# Altium PCB EDA-03517-V2-0_pcb.pcbdoc (part 2 of 5)
Units mm, origin at the board's own origin, x right, y up, seen from the top; angles counter-clockwise.
Board outline 220 x 264 mm, 8 copper layers (Top Layer, L2, L3, L4, L5, L6, L7, Bottom Layer), stack 2.18 mm thick; 439 components, 290 nets, 1011 pads, 273 vias.
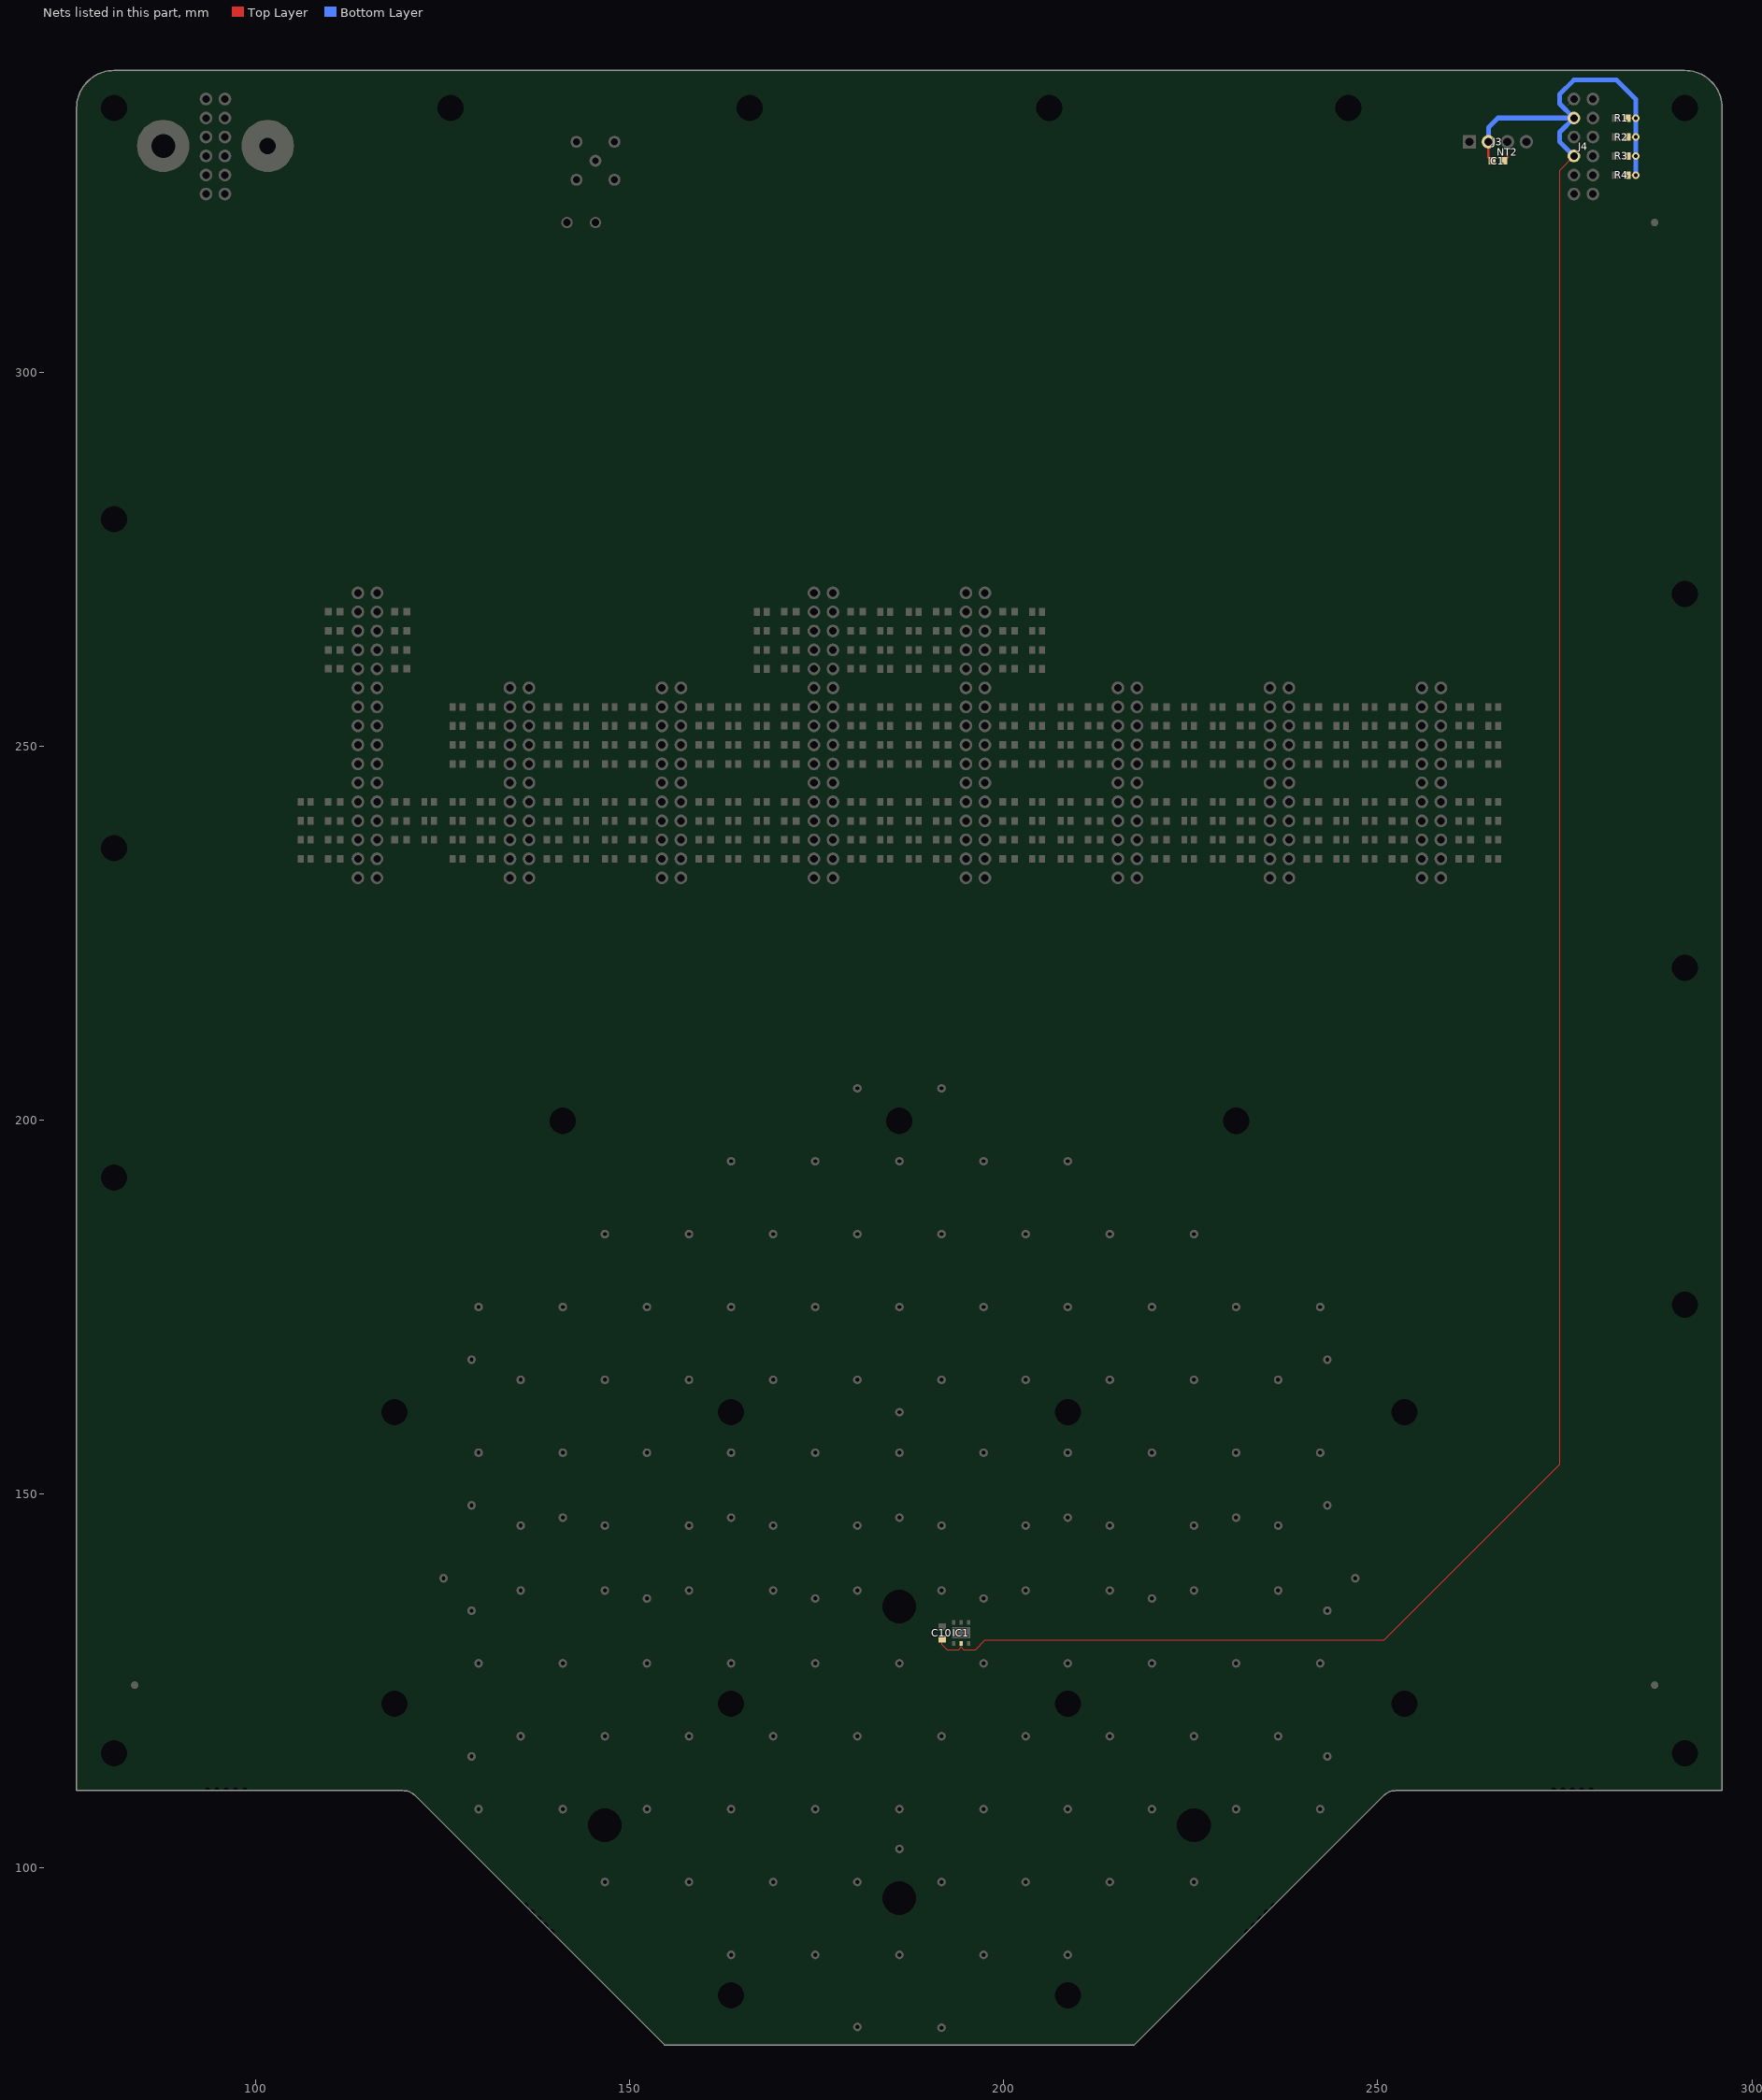
[diagram p8: the nets of this part, all layers, seen from the top]

## Part data
B1 B2: library part PLATED_HOLE1.0_PAD1.5, "Single Terminal Socket", Author="CERN DEM JLC", ComponentHeight=0mm, Component Type="Standard (No BOM)", CreateDate=30/10/2008, Family="Plated Hole", HelpURL=Undefined, LatestRevisionDate=30/10/2008, Mounted=No, PackageDescription="Plated Through Hole: Hole Dia.=1mm Pad Dia.=1.5mm", Part Description="Plated Through Hole: Hole Dia.=1mm Pad Dia.=1.5mm,  IPC-7251 Level C", Part Number=PLATED_HOLE1.0_PAD1.5, Pin Count=1, Sense=No, SMD=No, Socket=No, Status=None
C1 C10: library part CC0603_100NF_50V_10%_X7R, "Non-polarised capacitor", Case=0603, Manufacturer=GENERIC, Manufacturer1 ComponentHeight=0.87mm, Manufacturer1 Example=PHYCOMP, Manufacturer1 Part Number=223858615649, Tolerance=±10%, Voltage=50V, Author="CERN DEM JLC", Component Type=Standard, CreateDate=03/12/2007, HelpURL=\\cern.ch\dfs\Applications\Altium\Datasheets\CC0603_X7R_PHYCOMP.pdf, LatestRevisionDate=03/12/2007, Manufacturer Part Number=CC0603_100NF_50V_10%_X7R, Mounted=Yes, Part Description="SMD Multilayer Chip Ceramic Capacitor", Part Number=CC0603_100NF_50V_10%_X7R, Pin Count=2, Sense=No, SMD=Yes, Socket=No, Status=Preferred, TC=X7R
C2: library part CC0603_1PF_50V_0.25PF_NP0, "Non-polarised capacitor", Case=0603, Manufacturer=GENERIC, Manufacturer1 ComponentHeight=0.87mm, Manufacturer1 Example=PHYCOMP, Manufacturer1 Part Number=223886715108, Tolerance=±0.25pF, Voltage=50V, Author="CERN DEM JLC", Component Type=Standard, CreateDate=03/12/2007, HelpURL=\\cern.ch\dfs\Applications\Altium\Datasheets\CC0603_NP0_PHYCOMP.pdf, LatestRevisionDate=03/12/2007, Manufacturer Part Number=CC0603_1PF_50V_0.25PF_NP0, Mounted=Yes, Part Description="SMD Multilayer Chip Ceramic Capacitor", Part Number=CC0603_1PF_50V_0.25PF_NP0, Pin Count=2, Sense=No, SMD=Yes, Socket=No, Status=Preferred, TC=C0G/NP0
C3: library part CC0603_2.2PF_50V_0.25PF_NP0, "Non-polarised capacitor", Case=0603, Manufacturer=GENERIC, Manufacturer1 ComponentHeight=0.87mm, Manufacturer1 Example=PHYCOMP, Manufacturer1 Part Number=223886715228, Tolerance=±0.25pF, Voltage=50V, Author="CERN DEM JLC", Component Type=Standard, CreateDate=03/12/2007, HelpURL=\\cern.ch\dfs\Applications\Altium\Datasheets\CC0603_NP0_PHYCOMP.pdf, LatestRevisionDate=03/12/2007, Manufacturer Part Number=CC0603_2.2PF_50V_0.25PF_NP0, Mounted=Yes, Part Description="SMD Multilayer Chip Ceramic Capacitor", Part Number=CC0603_2.2PF_50V_0.25PF_NP0, Pin Count=2, Sense=No, SMD=Yes, Socket=No, Status=Preferred, TC=C0G/NP0
C4: library part CC0603_4.7PF_50V_0.25PF_NP0, "Non-polarised capacitor", Case=0603, Manufacturer=GENERIC, Manufacturer1 ComponentHeight=0.87mm, Manufacturer1 Example=PHYCOMP, Manufacturer1 Part Number=223886715478, Tolerance=±0.25pF, Voltage=50V, Author="CERN DEM JLC", Component Type=Standard, CreateDate=03/12/2007, HelpURL=\\cern.ch\dfs\Applications\Altium\Datasheets\CC0603_NP0_PHYCOMP.pdf, LatestRevisionDate=03/12/2007, Manufacturer Part Number=CC0603_4.7PF_50V_0.25PF_NP0, Mounted=Yes, Part Description="SMD Multilayer Chip Ceramic Capacitor", Part Number=CC0603_4.7PF_50V_0.25PF_NP0, Pin Count=2, Sense=No, SMD=Yes, Socket=No, Status=Preferred, TC=C0G/NP0
C5: library part CC0603_10PF_50V_5%_NP0, "Non-polarised capacitor", Case=0603, Manufacturer=GENERIC, Manufacturer1 ComponentHeight=0.87mm, Manufacturer1 Example=PHYCOMP, Manufacturer1 Part Number=223886715109, Tolerance=±5%, Voltage=50V, Author="CERN DEM JLC", Component Type=Standard, CreateDate=03/12/2007, HelpURL=\\cern.ch\dfs\Applications\Altium\Datasheets\CC0603_NP0_PHYCOMP.pdf, LatestRevisionDate=03/12/2007, Manufacturer Part Number=CC0603_10PF_50V_5%_NP0, Mounted=Yes, Part Description="SMD Multilayer Chip Ceramic Capacitor", Part Number=CC0603_10PF_50V_5%_NP0, Pin Count=2, Sense=No, SMD=Yes, Socket=No, Status=Preferred, TC=C0G/NP0
C6: library part CC0603_22PF_50V_5%_NP0, "Non-polarised capacitor", Case=0603, Manufacturer=GENERIC, Manufacturer1 ComponentHeight=0.87mm, Manufacturer1 Example=PHYCOMP, Manufacturer1 Part Number=223886715229, Tolerance=±5%, Voltage=50V, Author="CERN DEM JLC", Component Type=Standard, CreateDate=03/12/2007, HelpURL=\\cern.ch\dfs\Applications\Altium\Datasheets\CC0603_NP0_PHYCOMP.pdf, LatestRevisionDate=03/12/2007, Manufacturer Part Number=CC0603_22PF_50V_5%_NP0, Mounted=Yes, Part Description="SMD Multilayer Chip Ceramic Capacitor", Part Number=CC0603_22PF_50V_5%_NP0, Pin Count=2, Sense=No, SMD=Yes, Socket=No, Status=Preferred, TC=C0G/NP0
C7: library part CC0603_47PF_50V_5%_NP0, "Non-polarised capacitor", Case=0603, Manufacturer=GENERIC, Manufacturer1 ComponentHeight=0.87mm, Manufacturer1 Example=PHYCOMP, Manufacturer1 Part Number=223886715479, Tolerance=±5%, Voltage=50V, Author="CERN DEM JLC", Component Type=Standard, CreateDate=03/12/2007, HelpURL=\\cern.ch\dfs\Applications\Altium\Datasheets\CC0603_NP0_PHYCOMP.pdf, LatestRevisionDate=03/12/2007, Manufacturer Part Number=CC0603_47PF_50V_5%_NP0, Mounted=Yes, Part Description="SMD Multilayer Chip Ceramic Capacitor", Part Number=CC0603_47PF_50V_5%_NP0, Pin Count=2, Sense=No, SMD=Yes, Socket=No, Status=Preferred, TC=C0G/NP0
C8: library part CC0603_100PF_50V_5%_NP0, "Non-polarised capacitor", Case=0603, Manufacturer=GENERIC, Manufacturer1 ComponentHeight=0.87mm, Manufacturer1 Example=PHYCOMP, Manufacturer1 Part Number=223886715101, Tolerance=±5%, Voltage=50V, Author="CERN DEM JLC", Component Type=Standard, CreateDate=03/12/2007, HelpURL=\\cern.ch\dfs\Applications\Altium\Datasheets\CC0603_NP0_PHYCOMP.pdf, LatestRevisionDate=03/12/2007, Manufacturer Part Number=CC0603_100PF_50V_5%_NP0, Mounted=Yes, Part Description="SMD Multilayer Chip Ceramic Capacitor", Part Number=CC0603_100PF_50V_5%_NP0, Pin Count=2, Sense=No, SMD=Yes, Socket=No, Status=Preferred, TC=C0G/NP0
C9: library part CC0603_220PF_50V_5%_NP0, "Non-polarised capacitor", Case=0603, Manufacturer=GENERIC, Manufacturer1 ComponentHeight=0.87mm, Manufacturer1 Example=PHYCOMP, Manufacturer1 Part Number=223886715221, Tolerance=±5%, Voltage=50V, Author="CERN DEM JLC", Component Type=Standard, CreateDate=03/12/2007, HelpURL=\\cern.ch\dfs\Applications\Altium\Datasheets\CC0603_NP0_PHYCOMP.pdf, LatestRevisionDate=03/12/2007, Manufacturer Part Number=CC0603_220PF_50V_5%_NP0, Mounted=Yes, Part Description="SMD Multilayer Chip Ceramic Capacitor", Part Number=CC0603_220PF_50V_5%_NP0, Pin Count=2, Sense=No, SMD=Yes, Socket=No, Status=Preferred, TC=C0G/NP0
FTG1 FTG2 FTG3: library part FIDUCIAL_TARGET_C100-200, "Fiducial Target", Author="CERN DEM JLC", ComponentHeight=0mm, Component Type="Standard (No BOM)", CreateDate=09/02/2010, Family=Fiducial, HelpURL=Undefined, LatestRevisionDate=04/04/2012, Mounted=No, PackageDescription="Round Fiducial Target, Top Layer, 1.0mm, Top Solder 2.0mm, Keepout =2.0mm", Part Description="Round Fiducial Target, Top Layer, 1.0mm, Top Solder 2.0mm, Keepout =2.0mm", Part Number=FIDUCIAL_TARGET_C100-200, Pin Count=1, Sense=No, SMD=Yes, Socket=No, Status=None
IC1: "Humidity and Temperature Sensor IC", Case=SON6, Manufacturer=SENSIRION, Author="CERN DEM JLC", Bonding=No, ComponentHeight=1.2mm, Component Type=Standard, CreateDate=19/04/2012, Device=SHT25, HelpURL=\\cern.ch\dfs\Applications\Altium\Datasheets\SHT25.pdf, LatestRevisionDate=19/04/2012, Manufacturer Part Number=SHT25, Mounted=Yes, PackageDescription="SON, 1.00mm, Pitch; 6 Pin, 3.00mm W X 3.00mm L X 1.20mm H body (W/Thermal Tab 1.40 X 2.3mm), SEMIRION DFN", Part Description="I2C Digital Humidity 0 – 100% RH and Temperature -40°C to +125°C Sensor", Part Number=SHT25, Pin Count=6, PressFit=No, Sense=Yes, Sense Comment=Non-washable, SMD=Yes, Socket=No
J1 J4: library part SAMTEC_MTLW-106-07-L-D-250, "Connector 12 Male", Manufacturer=SAMTEC, Manufacturer Part Number=MTLW-106-07-L-D-250, Author="CERN DEM JLC", ComponentHeight=7.87mm, Component Type=Standard, CreateDate=25/11/2013, Family="Header 12", HelpURL=\\cern.ch\dfs\Applications\Altium\Datasheets\SAMTEC_MTLW-106-07-L-D-250.pdf, LatestRevisionDate=25/11/2013, Mounted=Yes, Part Description="12 Contacts, Pitch 2.54mm, Dual Row Through Mount Straight Header (Post Lead = 6.35mm, Tail Lead 3.05mm, Insulator 1.52mm)", Part Number=SAMTEC_MTLW-106-07-L-D-250, Pin Count=12, PressFit=No, Sense=No, SMD=No, Socket=No, Status=None
  J4: ClassName=Overlapping
J2: library part LEMO_EPK.00.250.NTN, Manufacturer=LEMO, Manufacturer Part Number=EPK.00.250.NTN, Author="CERN DEM JLC", ComponentHeight=7mm, Component Type=Standard, CreateDate=04/09/2012, Family="LEMO 00", HelpURL=\\cern.ch\dfs\Applications\Altium\Datasheets\LEMO_EPK.00.250.NTN.pdf, LatestRevisionDate=04/09/2012, Mounted=Yes, Part Description="Size 00, 50 Ohms Coaxial Elbow (90°) socket With Clearance Under The Body", Part Number=LEMO_EPK.00.250.NTN, Pin Count=2, PressFit=No, SCEM=09.46.11.180.6, Sense=No, SMD=No, Socket=No, Status=None
J3: library part SAMTEC_SSW-104-02-L-S-RA, "Connector 4 Female", Manufacturer=SAMTEC, Manufacturer Part Number=SSW-104-02-L-S-RA, Author="CERN DEM MR", ComponentHeight=2.41mm, Component Type=Standard, CreateDate=24/11/2016, Family="Socket 4", HelpURL=\\cern.ch\dfs\Applications\Altium\Datasheets\SAMTEC_SSW-104-02-L-S-RA.pdf, LatestRevisionDate=24/11/2016, Mounted=Yes, Part Description="4 Contacts, Pitch 2.54mm, Single Row Through Mount Right Angle Socket (Lead Length 2.54mm)", Part Number=SAMTEC_SSW-104-02-L-S-RA, Pin Count=4, PressFit=No, Sense=No, SMD=No, Socket=No, Status=None
J5 J8 J9: library part SAMTEC_MTLW-116-07-L-D-250, "Connector 32 Male", Manufacturer=SAMTEC, Manufacturer Part Number=MTLW-116-07-L-D-250, Author="CERN DEM MR", ComponentHeight=7.87mm, Component Type=Standard, CreateDate=24/11/2016, Family="Header 32", HelpURL=\\cern.ch\dfs\Applications\Altium\Datasheets\SAMTEC_MTLW-116-07-L-D-250.pdf, LatestRevisionDate=24/11/2016, Mounted=Yes, Part Description="32 Contacts, Pitch 2.54mm, Dual Row Through Mount Straight Header (Post Lead = 6.35mm, Tail Lead 3.05mm, Insulator 1.52mm)", Part Number=SAMTEC_MTLW-116-07-L-D-250, Pin Count=32, PressFit=No, Sense=No, SMD=No, Socket=No, Status=None
J6 J7 J10 J11 J12: library part SAMTEC_MTLW-111-07-L-D-250, "Connector 20 Male", Manufacturer=SAMTEC, Manufacturer Part Number=MTLW-111-07-L-D-250, Author="CERN DEM MR", ComponentHeight=7.87mm, Component Type=Standard, CreateDate=28/11/2016, Family="Header 22", HelpURL=\\cern.ch\dfs\Applications\Altium\Datasheets\SAMTEC_MTLW-111-07-L-D-250.pdf, LatestRevisionDate=28/11/2016, Mounted=Yes, Part Description="22 Contacts, Pitch 2.54mm, Dual Row Through Mount Straight Header (Post Lead = 6.35mm, Tail Lead 3.05mm, Insulator 1.52mm)", Part Number=SAMTEC_MTLW-111-07-L-D-250, Pin Count=22, PressFit=No, Sense=No, SMD=No, Socket=No, Status=None
PP1 PP2 PP3 PP4 PP5 PP6 PP7 PP8 PP9 PP10 PP11 PP12 PP13 PP14 PP15 PP16 PP17 PP18 PP19 PP20 PP21 PP22 PP23 PP24 PP25 PP26 PP27 PP28 PP29 PP30 PP31 PP32 PP33 PP34 PP35 PP36 PP37 PP38 PP39 PP40 PP41 PP42 PP43 PP44 PP45 PP46 PP47 PP48 PP49 PP50 PP51 PP52 PP53 PP54 PP55 PP56 PP57 PP58 PP59 PP60 PP61 PP62 PP63 PP64 PP65 PP66 PP67 PP68 PP69 PP70 PP71 PP72 PP73 PP74 PP75 PP76 PP77 PP78 PP79 PP80 PP81 PP82 PP83 PP84 PP85 PP86 PP87 PP88 PP89 PP90 PP91 PP92 PP93 PP94 PP95 PP96 PP97 PP98 PP99 PP100 PP101 PP102 PP103 PP104 PP105 PP106 PP107 PP108 PP109 PP110 PP111 PP112 PP113 PP114 PP115 PP116 PP117 PP118 PP119 PP120 PP121 PP122 PP123 PP124 PP125 PP126 PP127 PP128 PP129 PP130 PP131 PP132 PP133 PP134 PP135: library part MILL-MAX_0985-1-15-20-71-14-11-0, "Test Point", Manufacturer=MILL-MAX, Manufacturer Part Number=0985-1-15-20-71-14-11-0, Author="CERN DEM MR", ComponentHeight=6.3mm, Component Type=Standard, CreateDate=07/11/2016, Family=Probe, HelpURL=\\cern.ch\dfs\Applications\Altium\Datasheets\MILL-MAX_0985-1-15-20-71-14-11-0.pdf, LatestRevisionDate=07/11/2016, Mounted=Yes, Part Description="Probe, Spring-Loaded Pin, 2A Continuous, 3A Peak, -55..125°C (Soldered Pin 3.81mm)", Part Number=MILL-MAX_0985-1-15-20-71-14-11-0, Pin Count=1, PressFit=No, Sense=No, SMD=No, Socket=No, Status=None
R1 R2 R3 R4: library part R0603_10K_1%_0.1W_100PPM, "Resistor - 1%", Case=0603, Manufacturer=GENERIC, Manufacturer1 ComponentHeight=0.55mm, Manufacturer1 Example="NIC COMPONENT", Manufacturer1 Part Number=NRC06F1002TRF, Power=0.1W, Tolerance=±1%, Author="CERN DEM JLC", ClassName=NotMounted, Component Type=Standard, CreateDate=03/12/2007, HelpURL=\\cern.ch\dfs\Applications\Altium\Datasheets\R0603_NIC_NRC.pdf, LatestRevisionDate=13/03/2008, Manufacturer Part Number=R0603_10K_1%_0.1W_100PPM, Mounted=No, Part Description="General Purpose Thick Film Chip Resistor", Part Number=R0603_10K_1%_0.1W_100PPM, Pin Count=2, PressFit=No, Sense=No, SMD=Yes, Socket=No, Status=Preferred, TC=±100ppm/°C
RB1 RB2 RB3 RB4 RB5 RB6 RB7 RB8 RB9 RB10 RB11 RB12 RB13 RB14 RB15 RB16 RB17 RB18 RB19 RB20 RB21 RB22 RB23 RB24 RB25 RB26 RB27 RB28 RB29 RB30 RB31 RB32 RB33 RB34 RB35 RB36 RB37 RB38 RB39 RB40 RB41 RB42 RB43 RB44 RB45 RB46 RB47 RB48 RB49 RB50 RB51 RB52 RB53 RB54 RB55 RB56 RB57 RB58 RB59 RB60 RB61 RB62 RB63 RB64 RB65 RB66 RB67 RB68 RB69 RB70 RB71 RB72 RB73 RB74 RB75 RB76 RB77 RB78 RB79 RB80 RB81 RB82 RB83 RB84 RB85 RB86 RB87 RB88 RB89 RB90 RB91 RB92 RB93 RB94 RB95 RB96 RB97 RB98 RB99 RB100 RB101 RB102 RB103 RB104 RB105 RB106 RB107 RB108 RB109 RB110 RB111 RB112 RB113 RB114 RB115 RB116 RB117 RB118 RB119 RB120 RB121 RB122 RB123 RB124 RB125 RB126 RB127 RB128 RB129 RB130 RB131 RB132 RB133 RB134 RB135: library part R0603_10M_1%_0.125W_100PPM_VISHAY_CHP, "Resistor - 1%", Case=0603, Manufacturer="VISHAY SFERNICE", Manufacturer Part Number=CHP0603K1005FNT, Power=0.125W, Tolerance=±1%, Author="CERN DEM JLC", ClassName=NotMounted, ComponentHeight=0.63mm, Component Type=Standard, CreateDate=22/06/2011, HelpURL=\\cern.ch\dfs\Applications\Altium\Datasheets\R0603_VISHAY_CHP.pdf, LatestRevisionDate=22/06/2011, Mounted=No, Part Description="High Stability Metal Glaze Thick Film Chip Resistor", Part Number=R0603_10M_1%_0.125W_100PPM_VISHAY_CHP, Pin Count=2, PressFit=No, Sense=No, SMD=Yes, Socket=No, Status=None, TC=±100ppm/°C
RS1 RS2 RS3 RS4 RS5 RS6 RS7 RS8 RS9 RS10 RS11 RS12 RS13 RS14 RS15 RS16 RS17 RS18 RS19 RS20 RS21 RS22 RS23 RS24 RS25 RS26 RS27 RS28 RS29 RS30 RS31 RS32 RS33 RS34 RS35 RS36 RS37 RS38 RS39 RS40 RS41 RS42 RS43 RS44 RS45 RS46 RS47 RS48 RS49 RS50 RS51 RS52 RS53 RS54 RS55 RS56 RS57 RS58 RS59 RS60 RS61 RS62 RS63 RS64 RS65 RS66 RS67 RS68 RS69 RS70 RS71 RS72 RS73 RS74 RS75 RS76 RS77 RS78 RS79 RS80 RS81 RS82 RS83 RS84 RS85 RS86 RS87 RS88 RS89 RS90 RS91 RS92 RS93 RS94 RS95 RS96 RS97 RS98 RS99 RS100 RS101 RS102 RS103 RS104 RS105 RS106 RS107 RS108 RS109 RS110 RS111 RS112 RS113 RS114 RS115 RS116 RS117 RS118 RS119 RS120 RS121 RS122 RS123 RS124 RS125 RS126 RS127 RS128 RS129 RS130 RS131 RS132 RS133 RS134 RS135: library part R0603_0R_JUMPER, "Resistor", Case=0603, Manufacturer=GENERIC, Manufacturer1 ComponentHeight=0.55mm, Manufacturer1 Example="NIC COMPONENT", Manufacturer1 Part Number=NRC06Z0, Author="CERN DEM JLC", Component Type=Standard, CreateDate=03/12/2007, HelpURL=\\cern.ch\dfs\Applications\Altium\Datasheets\R0603_NIC_NRC.pdf, LatestRevisionDate=13/03/2008, Manufacturer Part Number=R0603_0R_JUMPER, Mounted=Yes, Part Description="1A (0.05R Max DC Resistance) Zero Ohm Jumper", Part Number=R0603_0R_JUMPER, Pin Count=2, PressFit=No, Sense=No, SMD=Yes, Socket=No, Status=Preferred
NT1 NT2: Author="CERN DEM JLC", ClassName=NotMounted, ComponentHeight=0mm, Component Type="Net Tie", CreateDate=22/03/2011, Family="Net Tie", HelpURL=Undefined, LatestRevisionDate=22/03/2011, Mounted=No, PackageDescription="2 Plated Through Hole For Coaxial Cable Link: Hole Dia.=1.4mm Pad Dia.=2.5mm", Part Description="Net Tie (2 Nets)", Part Number="Net Tie", Pin Count=2, Sense=No, SMD=No, Socket=No, Status=None

## Free pads (board coordinates)
  round 1 hole 3.5 unplated mask+1.25: D350NP(81.055,115.36) D350NP(81.055,192.36) D350NP(81.055,236.36) D350NP(81.055,280.36) D350NP(81.055,335.36) D350NP(118.543,121.967) D350NP(118.543,160.945) D350NP(126.055,335.36) D350NP(141.047,199.923) D350NP(163.551,82.989) D350NP(163.551,121.967) D350NP(163.551,160.945) D350NP(166.055,335.36) D350NP(186.055,199.923) D350NP(206.055,335.36) D350NP(208.559,82.989) D350NP(208.559,121.967) D350NP(208.559,160.945) D350NP(231.063,199.923) D350NP(246.055,335.36) D350NP(253.567,121.967) D350NP(253.567,160.945) D350NP(291.055,115.36) D350NP(291.055,175.36) D350NP(291.055,220.36) D350NP(291.055,270.36) D350NP(291.055,335.36)
  round 7 hole 2.2: P28(101.6,330.282)
  round 7 hole 3.2: P29(87.63,330.282)
  round 0.5 hole 0.8 unplated mask+0.15: P80NP(93.555,110.36) P80NP(94.805,110.36) P80NP(96.055,110.36) P80NP(97.305,110.36) P80NP(98.555,110.36) P80NP(136.039,94.976) P80NP(136.923,94.092) P80NP(137.806,93.209) P80NP(138.69,92.325) P80NP(139.574,91.441) P80NP(232.544,91.449) P80NP(233.428,92.333) P80NP(234.312,93.217) P80NP(235.196,94.101) P80NP(236.08,94.985) P80NP(273.555,110.36) P80NP(274.805,110.36) P80NP(276.055,110.36) P80NP(277.305,110.36) P80NP(278.555,110.36)
  round 1 hole 4.5 unplated mask+1.75: P450NP(146.673,105.726) P450NP(186.055,95.982) P450NP(186.055,134.96) P450NP(225.425,105.726)

## Via types
v1: diameter 1, hole 0.5, Top Layer to Bottom Layer, tented both sides, 273 vias

## Nets (pads, with @x,y where several pads share a name; then routed paths per layer and width w, separated by ;. In a path a pad name is that pad's centre, name@x,y a point inside that pad or via, vN(x,y) a via of type N, cw(c..) or ccw(c..) an arc to the next point about the centre after c; other vN are vias at no path point)
3.3V: C1.2 C10.2 IC1.5 J3.2 J4.6 J4.10 R1.2 R2.2 R3.2 R4.2 | length 324.2
  Top Layer w0.152: C10.2@191.77,130.645 191.77,129.857 192.405,129.222 193.992,129.222 194.31,129.54 ; IC1.5@194.31,130.045 194.31,129.54 ; J4.6@276.225,328.93 274.32,327.025 274.32,153.987 250.825,130.493 197.485,130.493 196.215,129.222 194.627,129.222 194.31,129.54 ; R4.2@283.375,326.39 v1(284.48,326.39) ; R3.2@283.375,328.93 v1(284.48,328.93) ; R2.2@283.375,331.47 v1(284.48,331.47) ; R1.2@283.375,334.01 v1(284.48,334.01)
  Top Layer w0.305: J3.2@264.795,330.835 264.795,328.765 C1.2@265.265,328.295
  Bottom Layer w0.635: J3.2@264.795,330.835 264.795,332.74 266.065,334.01 J4.10@276.225,334.01 ; J4.6@276.225,328.93 274.32,330.835 274.32,332.105 J4.10@276.225,334.01 ; v1(284.48,326.39) v1(284.48,328.93) v1(284.48,331.47) v1(284.48,334.01) 284.48,336.55 281.94,339.09 276.225,339.09 274.32,337.185 274.32,335.915 J4.10@276.225,334.01
CGND: C1.1 NT2.2 | length 1.2
  Top Layer w0.305: C1.1@266.865,328.295 267.335,328.765 NT2.2@267.335,329.311